# Altium PCB WatcherJet3.pcbdoc (part 2 of 3)
Units mm, origin at the board's own origin, x right, y up, seen from the top; angles counter-clockwise.
Board outline 160 x 115 mm, 2 copper layers (Top Layer, Bottom Layer); 120 components, 123 nets, 463 pads, 264 vias.
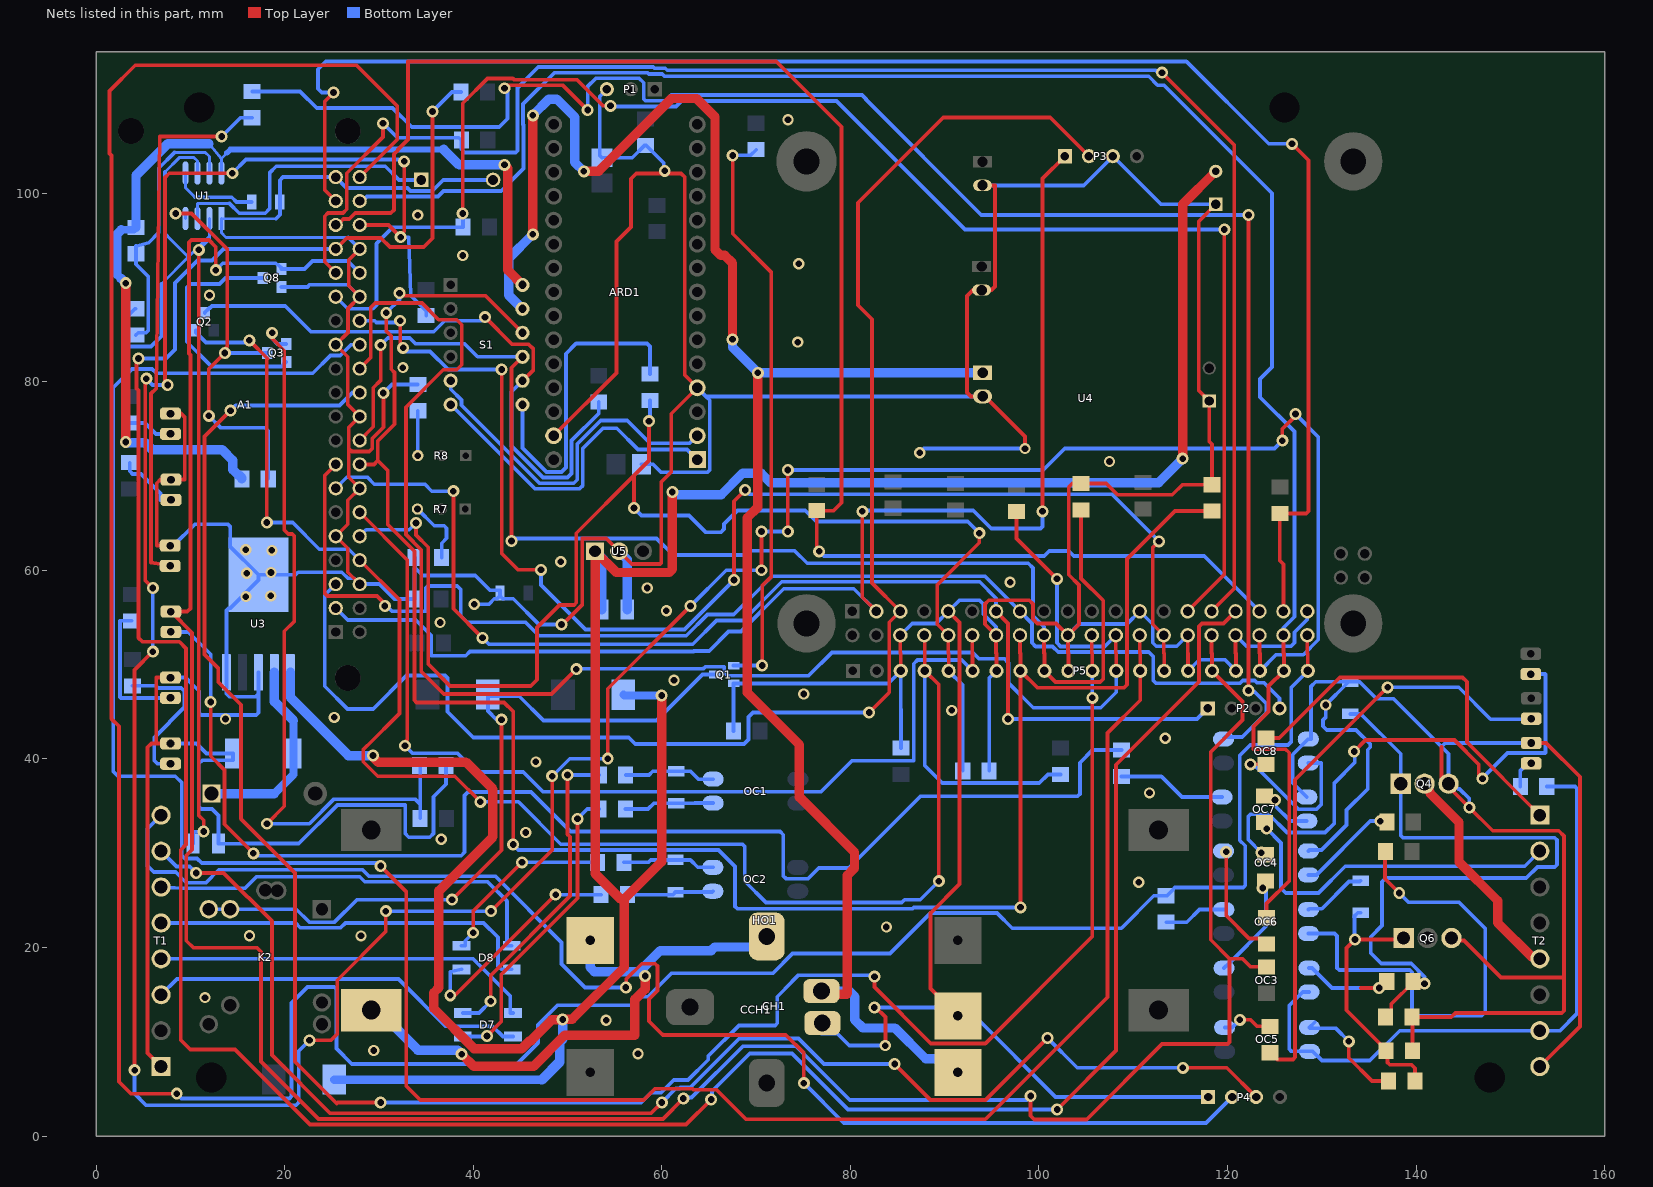
[diagram p2: the nets of this part, all layers, seen from the top]

## Via types
v1: diameter 1.27, hole 0.711, Top Layer to Bottom Layer, 222 vias
v2: diameter 1.2, hole 0.7, Top Layer to Bottom Layer, 42 vias

## Nets (pads, with @x,y where several pads share a name; then routed paths per layer and width w, separated by ;. In a path a pad name is that pad's centre, name@x,y a point inside that pad or via, vN(x,y) a via of type N, cw(c..) or ccw(c..) an arc to the next point about the centre after c; other vN are vias at no path point) (continued)
GND: A1.6 A1.9 A1.14 A1.20 A1.25 A1.30 A1.34 A1.39 ARD1.4 ARD1.29 C1.2 C2.2 C3.1 C4.1 C6.N C7.N C8.1 C9.1 C12.N C16.1 C18.1 C22.1 C23.1 CCH1.4 CH1.1 count_a_ok.2 count_b_ng.2 D2.2 link.2 LS1.2 P1.3 P3.3 P4.1 P5.3 P5.7 P5.10 P5.15 P5.17 power.2 Q1.2 Q8.2 R1.2 R2.2 R4.2 R16.1 R18.1 R28.1 R44.1 R51.1 T1.1 U1.1 U3.3 U3.5 U3.6 U4.6 U4.9 U4.14 U4.20 U4.25 U4.30 U4.34 U4.39 U5.2 warning.2 | length 857.7
  Top Layer w0.4: T1.1@6.873,7.366 5.436,8.803 5.436,41.237 5.842,41.643 6.375,41.643 ; warning.2@7.822,62.641 6.433,62.641 6.408,62.667 6.408,69.255 6.794,69.641 count_a_ok.2@7.923,69.641 9.347,69.641 9.373,69.667 9.373,76.285 9.017,76.64 count_b_ng.2@7.871,76.64 ; link.2@7.869,48.639 6.375,48.639 6.35,48.614 6.35,41.668 6.375,41.643 ; power.2@7.873,41.643 6.375,41.643 ; A1.6@27.94,58.547 26.67,59.817 26.67,62.357 A1.9@25.4,63.627 26.67,64.897 26.67,67.437 A1.14@27.94,68.707 26.772,69.875 26.772,72.962 ; A1.34@27.94,94.107 26.772,92.939 26.772,90.195 A1.30@27.94,89.027 26.695,87.782 26.695,85.242 A1.25@25.4,83.947 26.67,82.677 26.67,77.597 A1.20@27.94,76.327 26.772,75.159 26.772,72.962 ; v1(30.455,78.816) 30.455,75.184 29.264,73.994 29.264,72.927 28.956,72.619 27.114,72.619 26.772,72.962 ; ARD1.29@48.514,74.295 55.169,80.95 55.169,94.894 56.718,96.444 56.718,101.549 57.277,102.108 v1@60.3,102.108 ; v1(49.338,54.263) 49.457,54.263 51.538,56.344 51.538,63.373 51.563,63.398 54.092,63.398 U5.2@55.453,62.037 56.81,60.681 59.817,60.681 59.919,60.782 59.919,69.361 60.992,70.434 60.992,76.613 ARD1.4@63.754,79.375 62.433,80.696 62.433,101.714 62.039,102.108 v1@60.3,102.108 ; v1(60.3,102.387) v1@60.3,102.108 ; v1(82.532,13.643) 82.684,13.643 83.704,12.624 v2(83.704,9.596) ; U4.6@85.288,53.122 85.288,51.254 85.336,51.206 P5.3@85.336,49.346 ; U4.9@90.368,55.662 91.567,54.463 91.567,26.721 88.519,23.673 88.494,23.647 88.494,15.655 CH1.1@91.397,12.752 ; C7.N@94.008,100.846 95.301,100.846 95.326,100.821 95.326,90.106 94.959,89.739 C6.N@93.911,89.739 92.989,89.739 92.359,89.109 92.359,78.887 92.784,78.463 C12.N@94.019,78.463 94.269,78.463 98.519,74.213 v2(98.519,72.929) ; P5.7@95.496,49.346 95.496,51.206 95.448,51.254 U4.14@95.448,53.122 94.285,54.285 94.285,56.451 94.678,56.845 98.971,56.845 99.365,56.451 99.365,54.839 99.822,54.381 101.809,54.381 U4.20@103.068,53.122 ; P5.10@103.116,49.346 103.116,51.206 103.068,51.254 U4.20@103.068,53.122 ; U4.30@115.768,53.122 115.768,51.254 115.816,51.206 P5.15@115.816,49.346 ; C4.1@118.754,98.835 116.942,97.023 116.942,79.086 C22.1@118.058,77.97 118.058,73.674 118.352,73.381 R1.2@118.352,69.09 115.214,69.09 114.145,68.021 108.331,68.021 107.141,69.211 R2.2@104.453,69.211 103.527,69.211 103.149,68.834 103.149,59.538 104.242,58.445 104.242,54.295 U4.20@103.068,53.122 ; U4.34@120.848,53.122 120.848,51.254 120.896,51.206 P5.17@120.896,49.346
  Bottom Layer w0.311: U1.1@13.273,97.331 U1.1@13.273,97.307 ; 19.056,97.307 U1.1@13.273,97.307 ; 26.721,95.326 13.768,95.326 13.273,95.822 U1.1@13.273,97.307
  Bottom Layer w0.4: warning.2@7.822,62.641 8.204,62.641 10.466,64.904 13.964,64.904 14.199,64.669 14.199,62.542 U3.6@17.199,59.542 ; link.2@7.869,48.639 9.462,48.639 10.916,47.185 10.916,44.899 11.15,44.664 16.977,44.664 17.211,44.899 17.211,47.18 17.199,47.192 U3.3@17.199,49.192 ; power.2@7.873,41.643 10.643,41.643 11.699,40.586 D2.2@14.509,40.586 14.509,39.853 11.239,39.853 10.871,39.484 10.871,34.95 11.132,34.69 12.262,34.69 12.958,33.994 C3.1@12.958,31.024 12.958,31.013 15.627,31.013 15.646,31.032 21.482,31.032 25.578,35.128 32.741,35.128 32.766,35.103 32.766,32.08 33.147,31.699 35.369,31.699 35.763,32.093 35.763,35.992 37.086,37.314 R44.1@37.086,39.3 ; 17.199,46.926 16.881,46.609 14.116,46.609 13.799,46.926 U3.5@13.799,49.192 13.799,55.742 14.033,55.977 14.199,55.977 17.199,58.977 U3.6@17.199,59.542 ; 19.056,97.307 19.475,97.727 C2.2@19.475,99.097 19.475,101.39 19.812,101.727 A1.39@25.4,101.727 26.554,100.573 33.007,100.573 33.325,100.255 35.636,100.255 36.811,101.43 LS1.2@42.089,101.43 ; Q8.2@19.642,90.074 22.403,90.074 22.626,90.297 26.67,90.297 A1.30@27.94,89.027 ; 26.721,95.326 A1.34@27.94,94.107 ; v1(30.455,78.816) 31.376,79.737 R28.1@34.104,79.737 ; R16.1@33.836,61.373 33.836,60.261 ; v2(40.089,56.411) 41.645,56.411 42.221,56.987 42.521,56.987 C1.2@42.821,57.287 ; v1(49.338,54.263) 46.949,54.263 44.225,56.987 43.121,56.987 C1.2@42.821,57.287 ; P1.3@54.157,111.048 54.157,111.019 53.402,110.264 53.402,104.021 C16.1@53.643,103.781 56.85,103.781 58.143,105.074 58.343,105.074 60.191,103.226 60.191,102.496 v1(60.3,102.387) ; C18.1@57.841,71.269 59.055,71.269 59.903,70.421 64.846,70.421 65.075,70.65 65.075,78.054 64.666,78.463 ; ARD1.4@63.754,79.375 64.666,78.463 ; C8.1@67.593,42.969 67.593,45.466 67.608,45.481 Q1.2@67.608,48.01 84,48.01 P5.3@85.336,49.346 85.336,45.261 85.36,45.237 C9.1@85.36,41.164 ; CCH1.4@76.134,11.661 76.936,10.86 78.619,10.86 79.882,9.596 v2(83.704,9.596) ; v1(82.532,13.643) 90.505,13.643 CH1.1@91.397,12.752 ; U4.6@85.288,53.122 86.548,54.381 89.088,54.381 U4.9@90.368,55.662 91.552,56.845 93.688,56.845 94.082,56.451 94.082,55.385 95.448,54.018 U4.14@95.448,53.122 ; v2(87.347,72.474) 87.802,72.929 v2(98.519,72.929) ; CH1.1@93.146,12.752 101.756,4.142 P4.1@117.941,4.142 ; C7.N@94.008,100.846 104.741,100.846 P3.3@107.838,103.943 112.945,98.835 C4.1@118.754,98.835 ; C12.N@94.019,78.463 64.666,78.463 ; R51.1@94.712,38.747 94.712,48.562 P5.7@95.496,49.346 ; U4.20@103.068,53.122 104.252,54.305 109.332,54.305 U4.25@110.688,55.662 112.066,54.284 112.066,52.324 112.431,51.96 114.606,51.96 U4.30@115.768,53.122 ; P5.15@115.816,49.346 116.991,50.521 119.722,50.521 P5.17@120.896,49.346 ; U4.34@120.848,53.122 122.01,51.96 126.726,51.96 127.09,52.324 127.09,53.45 128.468,54.828 U4.39@128.468,55.662 ; U3.6@17.199,59.542 21.137,59.542 21.412,59.817 26.035,59.817 26.686,59.166 27.321,59.166 A1.6@27.94,58.547 30.048,58.547 31.614,56.981 R18.1@33.767,56.981 33.767,60.193 33.836,60.261 ; 33.836,60.261 34.625,59.473 40.197,59.473 41.783,57.887 42.821,57.887 C1.2@42.821,57.587 C1.2@42.821,57.287
  Bottom Layer w1: U5.2@55.453,62.037 56.332,61.159 C23.1@56.332,55.844
  other v2: 57.459,8.737 29.434,9.078 54.076,12.292 11.532,14.689 16.254,21.237 28.078,21.228 83.816,22.171 110.576,26.936 36.602,31.487 45.547,32.204 111.722,36.398 46.635,39.686 113.384,42.189 13.703,44.245 25.227,44.405 90.737,45.149 75.04,46.893 61.279,48.354 36.47,54.474 60.48,55.731 15.87,57.225 18.491,57.295 58.43,58.131 96.933,58.746 15.946,59.715 18.533,59.785 49.262,60.919 18.631,62.122 15.846,62.202 107.475,71.555 32.528,81.518 74.404,84.223 12.009,89.191 74.518,92.545 38.861,93.407 34.108,97.698 73.378,107.822
GND1: D9.A D11.A OC4.3 OC6.3 OC7.3 OC8.3 power1.2 Q4.3 Q6.3 R52.2 R54.2 T2.8 | length 191.4
  Top Layer w0.4: R54.2@139.621,9.05 139.621,12.577 R52.2@139.574,12.624 143.735,12.624 144.176,13.065 155.451,13.065 155.685,13.3 155.685,16.808 ; 142.704,41.299 142.704,37.801 v1(145.65,34.855) 148.125,32.38 155.129,32.38 155.685,31.823 155.685,16.808 ; Q6.3@143.761,21.005 144.017,20.749 145.074,20.749 148.996,16.827 155.666,16.827 155.685,16.808 ; power1.2@152.212,41.695 153.797,41.695 157.386,38.105 157.386,11.629 T2.8@153.126,7.369
  Bottom Layer w0.4: OC7.3@128.408,35.952 126.924,37.436 126.924,40.459 OC8.3@128.568,42.103 128.854,42.103 128.854,47.699 129.35,48.194 D9.A@132.708,48.194 ; OC4.3@128.582,30.237 128.692,30.347 129.978,30.347 131.361,31.731 132.625,32.994 132.625,34.575 134.879,36.828 134.879,40.978 135.144,41.243 135.144,41.575 133.644,43.074 130.527,43.074 130.133,43.467 130.133,44.138 130.409,44.414 v2(130.409,45.729) 132.708,48.028 D9.A@132.708,48.194 ; OC6.3@128.601,24.019 128.702,24.119 130.005,24.119 132.891,27.004 134.033,27.004 D11.A@134.121,27.093 ; v1(145.65,34.855) 145.65,35.801 144.624,36.828 144.471,36.828 143.92,37.379 Q4.3@143.446,37.379 143.446,40.557 142.704,41.299 ; power1.2@152.212,41.695 143.1,41.695 142.704,41.299 ; D9.A@132.708,48.194 D9.A@133.018,48.194 134.008,48.194 135.809,46.393 137.611,46.393 142.704,41.299
GPIO5_RXD: A1.15 P2.4 U4.15 | length 134.7
  Top Layer w0.4: A1.15@25.4,71.247 24.246,70.093 24.246,57.542 24.504,57.284 29.78,57.284 30.611,56.452 v1(30.611,56.231)
  Bottom Layer w0.4: v1(30.611,56.231) 30.802,56.231 31.356,55.677 34.95,55.677 34.976,55.702 34.976,58.141 35.179,58.344 38.29,58.344 38.655,57.979 38.655,55.196 39.342,54.508 45.529,54.508 46.971,53.067 62.577,53.067 64.831,55.321 67.627,55.321 71.697,59.392 94.259,59.392 U4.15@97.988,55.662 99.263,54.387 99.263,52.324 99.644,51.943 101.437,51.943 102.037,51.343 111.649,51.343 112.116,50.876 112.116,48.324 112.416,48.024 121.309,48.024 121.612,48.326 122.89,48.326 123.127,48.09 123.862,48.09 125.515,46.437 P2.4@125.515,45.364
GPIO7: A1.26 P5.13 U4.26 | length 252.6
  Top Layer w0.4: v1(30.162,28.639) 32.868,25.933 32.868,5.334 34.366,3.835 58.075,3.835 59.263,5.023 63.246,5.023 63.348,4.921 65.786,4.921 68.929,1.778 94.31,1.778 107.264,14.732 107.264,42.748 110.736,46.22 P5.13@110.736,49.346 110.736,51.206 110.688,51.254 U4.26@110.688,53.122
  Bottom Layer w0.4: A1.26@27.94,83.947 27.032,83.947 25.878,82.793 24.835,82.793 22.966,80.924 6.353,80.924 5.902,81.375 3.778,81.375 1.803,79.4 1.803,38.672 2.299,38.176 8.382,38.176 9.068,37.49 9.068,29.781 9.405,29.445 10.697,29.445 11.185,28.956 29.845,28.956 v1(30.162,28.639)
GPIO12_Buzzer: A1.32 Buzzer1.2 P5.16 Q8.1 R32.1 U4.32 | length 287.4
  Top Layer w0.4: v1(12.675,91.846) 12.675,94.31 11.944,95.04 10.077,95.04 9.83,94.793 9.83,83.007 9.982,82.855 9.982,55.968 9.652,55.638 Buzzer1.2@7.92,55.638 10.16,53.398 10.16,30.363 9.55,29.753 9.55,20.725 10.304,19.971 17.059,19.971 17.475,19.555 17.475,7.903 23.558,1.819 60.103,1.819 v1(62.271,3.988) ; v1(99.111,4.242) 99.111,2.159 99.504,1.765 105.067,1.765 113.054,9.753 119.984,9.753 120.218,9.987 120.218,18.81 ; U4.32@118.308,53.122 118.308,51.254 118.356,51.206 P5.16@118.356,49.346 121.59,46.112 121.59,44.12 118.215,40.745 118.215,20.814 120.218,18.81 ; R32.1@124.138,17.948 122.457,17.948 121.595,18.81 120.218,18.81
  Bottom Layer w0.4: v1(12.675,91.846) 13.412,92.584 19.032,92.584 19.192,92.424 19.292,92.424 19.642,92.074 Q8.1@19.642,91.974 22.073,91.974 22.936,92.837 26.67,92.837 A1.32@27.94,91.567 ; v1(62.271,3.988) 62.359,4.076 63.13,4.076 68.59,9.536 74.233,9.536 79.933,3.835 98.704,3.835 v1(99.111,4.242)
GPIO12_TXD: A1.13 P2.1 U4.13 | length 123.6
  Top Layer w0.4: v1(37.878,68.409) 37.878,55.937 v1(40.97,52.845) ; U4.13@95.448,55.662 96.723,54.387 v1(96.723,44.247)
  Bottom Layer w0.4: A1.13@25.4,68.707 26.568,69.875 28.758,69.875 29.489,69.145 34.855,69.145 35.592,68.409 v1(37.878,68.409) ; v1(40.97,52.845) 41.641,52.174 63.274,52.174 65.802,54.702 68.631,54.702 72.72,58.792 93.71,58.792 95.448,57.053 U4.13@95.448,55.662 ; v1(96.723,44.247) 116.777,44.247 P2.1@117.895,45.364
GPIO18: A1.12 P5.6 U4.12 | length 105.3
  Top Layer w0.4: A1.12@27.94,66.167 32.991,61.116 32.991,42.071 32.907,41.988 32.907,41.568 v1(32.741,41.402) ; U4.12@92.908,53.122 92.908,51.254 92.956,51.206 P5.6@92.956,49.346
  Bottom Layer w0.4: v1(32.741,41.402) 33.528,40.615 38.303,40.615 40.31,38.608 45.291,38.608 47.374,36.525 76.886,36.525 80.162,39.802 86.69,39.802 86.716,39.827 86.716,50.102 87.11,50.496 91.806,50.496 P5.6@92.956,49.346
GPIO20: A1.38 P5.19 R30.2 U4.38 | length 197.1
  Top Layer w0.4: R30.2@124.139,23.16 124.139,24.663 126.543,27.067 126.543,40.653 126.174,41.021 122.784,41.021 122.758,41.046 122.758,43.434 124.358,45.034 124.358,47.728 P5.19@125.976,49.346 125.976,51.206 125.928,51.254 U4.38@125.928,53.122
  Bottom Layer w0.4: A1.38@27.94,99.187 28.24,99.187 28.708,99.655 36.244,99.655 36.844,100.255 42.953,100.255 45.323,102.625 45.323,107.248 45.269,107.302 45.269,109.474 48.594,112.799 58.476,112.799 58.615,112.659 60.035,112.659 60.272,112.423 111.634,112.423 112.587,111.47 113.257,111.47 124.714,100.013 124.714,81.572 123.45,80.308 123.45,78.379 127.102,74.727 127.102,55.085 125.928,53.911 U4.38@125.928,53.122
GPIO21: A1.40 P5.20 R33.2 U4.40 | length 328.6
  Top Layer w0.4: v1(8.534,4.496) 3.67,4.496 2.408,5.758 2.408,43.466 1.618,44.255 1.618,104.021 1.401,104.238 1.401,110.85 4.14,113.589 27.597,113.589 31.93,109.255 31.93,105.717 A1.40@27.94,101.727 ; U4.40@128.468,53.122 128.468,51.254 128.516,51.206 P5.20@128.516,49.346
  Bottom Layer w0.4: v1(8.534,4.496) 9.042,3.988 20.485,3.988 20.719,4.222 20.719,14.13 22.402,15.812 25.242,15.812 25.476,15.578 25.476,9.271 27.102,7.645 44.628,7.645 46.868,9.885 46.868,11.807 48.93,13.87 56.662,13.87 57.575,14.783 58.519,14.783 61.015,17.279 71.782,17.279 73.858,19.355 84.197,19.355 88.494,23.652 95.555,23.652 97.159,22.047 108.737,22.047 112.177,25.487 R33.2@113.494,25.487 113.594,25.487 114.194,26.087 114.194,26.125 114.428,26.359 121.648,26.359 121.882,26.593 121.882,30.785 121.3,31.367 121.3,40.375 122.403,41.478 126.403,41.478 126.771,41.846 126.771,47.601 P5.20@128.516,49.346
GPIO23: A1.16 P5.8 R1.1 S1.10 U4.16 | length 213.1
  Top Layer w0.4: A1.16@27.94,71.247 29.464,71.247 29.864,71.647 ; v1(30.759,87.325) 30.759,85.395 31.292,84.863 31.292,81.349 31.637,81.003 31.637,75.509 29.864,73.736 29.864,71.647 ; v1(32.156,89.408) 32.436,89.129 41.289,89.129 S1.10@45.212,85.206 ; v1(44.221,30.924) 44.221,45.021 43.243,45.999 33.978,45.999 33.743,46.234 33.743,62.03 30.912,64.862 30.912,70.599 29.864,71.647 ; U4.16@97.988,53.122 97.988,51.254 98.036,51.206 P5.8@98.036,49.346 ; v1(98.036,24.257) P5.8@98.036,49.346 ; R1.1@118.352,66.29 114.427,66.29 109.347,61.21 109.347,47.866 109.029,47.549 99.833,47.549 P5.8@98.036,49.346
  Bottom Layer w0.4: v1(30.759,87.325) 32.156,88.722 v1(32.156,89.408) ; v1(44.221,30.924) 44.793,30.353 65.989,30.353 67.754,28.588 67.754,24.356 67.989,24.122 86.581,24.122 86.716,24.257 v1(98.036,24.257)
GPIO24: A1.18 P5.9 R2.1 S1.9 U4.18 | length 141.5
  Top Layer w0.4: A1.18@27.94,73.787 29.388,75.235 29.388,79.383 30.162,80.158 v1(30.162,83.896) ; v1(44.044,63.132) 44.044,81.497 S1.9@45.212,82.666 ; U4.18@100.528,53.122 100.528,51.254 100.576,51.206 P5.9@100.576,49.346 101.764,48.158 106.489,48.158 106.807,48.476 106.807,56.794 104.453,59.148 R2.1@104.453,66.411
  Bottom Layer w0.4: v1(30.162,83.896) 30.924,84.658 33.249,84.658 33.858,84.049 39.065,84.049 40.452,82.661 43.915,82.661 43.92,82.666 S1.9@45.212,82.666 ; v1(44.044,63.132) 44.31,63.398 59.436,63.398 61.195,61.64 68.992,61.64 69.449,62.097 74.068,62.097 75.408,60.757 98.857,60.757 99.365,60.249 99.365,55.182 100.528,54.018 U4.18@100.528,53.122
GPIO25: A1.22 P5.11 U4.22 | length 222.9
  Top Layer w0.4: v1(14.237,76.949) 11.481,74.193 11.481,51.076 12.948,49.61 12.948,48.139 15.342,45.745 15.342,33.647 21.08,27.909 21.08,7.881 25.506,3.454 25.621,3.569 v1(30.163,3.569) ; v1(82.55,16.905) 82.55,15.799 88.519,9.83 94.31,9.83 105.656,21.176 v1(105.656,46.482) ; U4.22@105.608,53.122 105.608,51.254 105.656,51.206 P5.11@105.656,49.346
  Bottom Layer w0.4: v1(14.237,76.949) 14.783,77.495 25.809,77.495 27.18,78.867 A1.22@27.94,78.867 ; v1(30.163,3.569) 57.809,3.569 58.835,4.595 59.906,4.595 61.265,5.954 62.78,5.954 64.915,8.089 64.915,8.482 68.171,11.738 72.005,11.738 72.239,11.973 72.239,14.774 73.091,15.626 73.091,15.665 74.494,17.068 82.387,17.068 v1(82.55,16.905) ; v1(105.656,46.482) P5.11@105.656,49.346
ID_SC: A1.28 P5.14 U4.28 | length 140.2
  Top Layer w0.4: v1(32.233,86.487) 32.233,83.934 v1(32.55,83.617) ; v1(43.002,81.305) 43.002,61.789 44.726,60.065 v1(47.168,60.065) ; v1(67.64,58.979) 67.64,67.335 v1(68.834,68.529) ; v1(112.725,63.094) 112.065,62.433 112.065,54.285 U4.28@113.228,53.122 113.228,51.254 113.276,51.206 P5.14@113.276,49.346
  Bottom Layer w0.4: A1.28@27.94,86.487 29.531,86.487 29.728,86.29 32.036,86.29 v1(32.233,86.487) ; v1(32.55,83.617) 32.931,83.236 35.396,83.236 37.326,81.305 v1(43.002,81.305) ; v1(47.168,60.065) 47.168,58.464 51.886,53.746 62.408,53.746 v1(67.64,58.979) ; v1(68.834,68.529) 69.291,68.072 107.747,68.072 v1(112.725,63.094)
K2_in: D3.2 K2.A2 pad.4 Q1.3 | length 82.7
  Top Layer w0.4: v1(37.732,25.07) 42.977,30.315 v1(42.977,44.163)
  Bottom Layer w0.4: K2.A2@11.931,24.066 pad.4@14.201,24.066 21.206,24.066 22.581,22.691 25.273,22.691 27.652,25.07 v1(37.732,25.07) ; D3.2@41.544,46.845 D3.2@41.544,46.66 ; v1(42.977,44.163) 42.456,44.163 41.544,45.075 D3.2@41.544,46.66 ; Q1.3@65.608,48.96 64.312,48.96 59.435,44.083 47.434,44.083 44.858,46.66 ; D3.2@41.544,46.66 44.858,46.66 ; D3.2@41.544,46.66 44.858,46.66
LM555_3: LS1.1 U1.3 | length 30.7
  Bottom Layer w0.311: U1.3@10.733,97.331 10.733,98.908 10.758,98.933 14.122,98.933
  Bottom Layer w0.4: 14.122,98.933 15.164,97.892 17.92,97.892 18.39,98.361 18.39,102.171 19.099,102.881 30.647,102.881 32.098,101.43 LS1.1@34.469,101.43
LM555_4: Q3.3 R35.1 U1.4 | length 43.6
  Top Layer w0.4: v1(8.415,97.867) 10.103,97.867 13.883,94.086 13.883,83.742 13.795,83.653 13.795,83.239 11.938,81.382 v1(11.938,76.403)
  Bottom Layer w0.311: v1(8.415,97.867) 9.319,97.867 9.463,97.723 U1.4@9.463,97.331
  Bottom Layer w0.4: v1(11.938,76.403) 13.217,75.124 17.916,75.124 18.237,74.803 18.237,69.72 R35.1@18.24,69.717 ; v1(13.629,83.072) Q3.3@18.139,83.072
LM555_5: C2.1 U1.5 | length 10.8
  Bottom Layer w0.311: U1.5@9.463,102.158 9.463,100.592 10.461,99.593
  Bottom Layer w0.4: 10.461,99.593 14.376,99.593 14.884,99.085 ; C2.1@16.475,99.097 C2.1@16.475,99.085 ; 14.884,99.085 C2.1@16.475,99.085 ; 14.884,99.085 C2.1@16.475,99.085
LM555_6_2: C3.2 R21.1 U1.2 U1.6 | length 105.5
  Top Layer w0.4: v1(10.871,94.005) 10.871,34.011 11.39,33.492 v1(11.39,32.313)
  Bottom Layer w0.311: 6.909,90.38 9.763,93.234 ; 7.281,102.277 8.788,103.784 10.377,103.784 10.733,103.429 U1.6@10.733,102.158 ; 7.493,95.504 9.763,93.234 ; v1(10.871,94.005) 12.003,95.137 12.003,95.474 ; U1.2@12.003,97.331 12.003,95.474 ; 9.763,93.234 10.703,94.174 12.003,95.474
  Bottom Layer w0.4: R21.1@4.191,87.76 4.091,87.76 3.491,87.16 3.491,87.06 2.891,86.46 2.891,83.769 2.916,83.744 5.817,83.744 6.909,84.836 6.909,90.38 ; 7.281,102.277 7.281,95.716 7.493,95.504 ; C3.2@10.257,31.024 10.257,32.289 11.366,32.289 v1(11.39,32.313)
LM555_7: R17.1 R21.2 U1.7 | length 28.7
  Bottom Layer w0.311: 8.306,104.343 11.557,104.343 12.003,103.898 U1.7@12.003,102.158
  Bottom Layer w0.4: R21.2@4.191,84.96 4.445,85.214 5.277,85.214 5.512,85.448 5.512,91.186 4.211,92.487 R17.1@4.211,93.594 4.211,94.401 5.557,94.762 6.629,95.834 6.629,102.667 8.306,104.343
NetBACK_light_1: BACK_light.1 R31.2 | length 63
  Top Layer w0.4: R31.2@124.496,8.836 124.596,8.836 125.307,8.124 126.934,8.124 127.169,8.359 127.169,37.786 v1(136.982,47.6)
  Bottom Layer w0.4: v1(136.982,47.6) 144.526,47.6 147.912,44.214 BACK_light.1@152.178,44.214
NetBuzzer1_1: Buzzer1.1 R19.2 | length 140.7
  Top Layer w0.4: v1(12.132,46.053) 12.132,40.294 13.589,38.837 13.589,33.071 v1(16.662,29.997)
  Bottom Layer w0.4: Buzzer1.1@7.92,53.479 9.762,53.479 12.132,51.11 v1(12.132,46.053) ; v1(16.662,29.997) 16.916,29.743 38.71,29.743 39.065,30.099 39.065,36.131 39.433,36.5 46.101,36.5 50.292,32.309 72.517,32.309 72.873,31.953 72.873,27.584 73.152,27.305 75.527,27.305 76.644,28.423 79.819,28.423 87.454,36.057 104.109,36.057 104.343,36.292 104.343,39.598 105.689,40.944 R19.2@108.762,40.944
NetC4_2: C4.2 C23.2 D1.1 D4.1 U3.1 U5.1 | length 297.2
  Top Layer w1: v1(29.362,40.361) 29.362,40.208 29.896,39.675 39.206,39.675 42.077,36.805 42.077,31.739 36.346,26.008 36.346,15.749 35.795,15.199 35.795,13.55 40.063,9.282 45.15,9.282 45.998,10.13 46.124,10.13 48.312,12.318 49.419,12.318 49.485,12.385 50.474,12.385 56.004,17.915 56.004,25.146 59.975,29.117 v1(59.975,46.727) ; 55.601,25.146 52.908,27.838 52.908,62.037 U5.1@52.913,62.037 55.172,59.779 60.77,59.779 61.1,60.109 v1(61.1,68.326) ; v1(115.24,71.857) 115.24,98.821 C4.2@118.754,102.335
  Bottom Layer w0.86: D1.1@25.237,5.988 25.237,5.969 45.187,5.969 47.193,5.969 47.32,5.969 ; D4.1@55.916,46.818 56.006,46.727 v1(59.975,46.727)
  Bottom Layer w1: U3.1@20.599,49.192 20.599,46.508 26.746,40.361 v1(29.362,40.361) ; 47.193,5.969 49.174,7.95 ; 47.32,5.969 49.174,7.823 49.174,7.95 ; v1(49.47,12.37) 49.47,10.253 49.454,10.236 49.174,9.957 49.174,7.95 ; U5.1@52.913,62.037 53.899,61.052 53.899,60.988 53.632,60.721 C23.2@53.632,55.844 ; v1(61.1,68.326) 61.393,68.032 66.289,68.032 68.564,70.307 70.536,70.307 71.526,69.317 112.7,69.317 v1(115.24,71.857)
NetCCH1_2: CCH1.2 CH1.4 HO1.2 | length 61.9
  Top Layer w1: v1(38.76,8.687) 40.063,7.384 46.375,7.384 49.682,10.691 57.137,10.691 57.137,14.491 58.222,15.575 v1(58.222,16.983)
  Bottom Layer w1: HO1.2@29.164,13.366 29.87,13.366 34.118,9.119 38.329,9.119 v1(38.76,8.687) ; CH1.4@52.397,20.752 52.397,17.885 52.832,17.45 57.607,17.45 59.825,19.668 65.222,19.668 65.612,20.058 69.998,20.058 CCH1.2@71.119,21.179
Netcount_a_ok_1: count_a_ok.1 R15.1 | length 6.9
  Bottom Layer w0.4: R15.1@3.541,71.428 3.541,70.536 3.846,70.231 4.737,70.231 6.807,68.161 6.807,67.495 6.82,67.482 count_a_ok.1@7.923,67.482
Netcount_b_ng_1: count_b_ng.1 R27.1 | length 4.7
  Bottom Layer w0.4: R27.1@3.659,75.63 5.182,75.63 6.33,74.481 count_b_ng.1@7.871,74.481
NetD2_1: D2.1 L1.1 U3.2 | length 21.2
  Bottom Layer w0.86: 18.887,36.323 20.919,38.354 D2.1@20.919,40.586 20.919,44.069
  Bottom Layer w1: L1.1@12.226,36.323 18.887,36.323 ; U3.2@18.899,49.192 18.899,46.089 20.919,44.069
NetD5_A: D5.A OC1.2 R14.1 | length 9.8
  Bottom Layer w0.4: R14.1@56.157,38.299 58.623,38.299 59.027,38.702 D5.A@61.532,38.702 63.043,38.702 63.889,37.856 OC1.2@65.434,37.856
NetD5_C: D5.C OC1.1 R9.1 | length 9.6
  Bottom Layer w0.4: R9.1@56.125,34.689 58.522,34.689 59.124,35.292 D5.C@61.532,35.292 63.449,35.292 63.473,35.316 OC1.1@65.434,35.316
NetD6_A: D6.A OC2.2 R26.1 | length 9.9
  Bottom Layer w0.4: R26.1@55.97,29.039 58.572,29.039 58.824,29.291 D6.A@61.446,29.291 63.017,29.291 63.801,28.508 OC2.2@65.406,28.508
NetD6_C: D6.C OC2.1 R22.1 | length 9.2
  Bottom Layer w0.4: R22.1@56.352,25.606 61.171,25.606 D6.C@61.446,25.881 65.319,25.881 OC2.1@65.406,25.968